# Altium PCB carrier_bak.PcbDoc (part 3 of 5)
Units mil, origin at the board's own origin, x right, y up, seen from the top; angles counter-clockwise.
Board outline 5511.81 x 3425.2 mil, 4 copper layers (Component Side, Power_layer1, Power_layer2, Solder Side), stack 65.912 mil thick; 375 components, 412 nets, 1874 pads, 645 vias.
Unrouted connection lines stored in the file: 33.
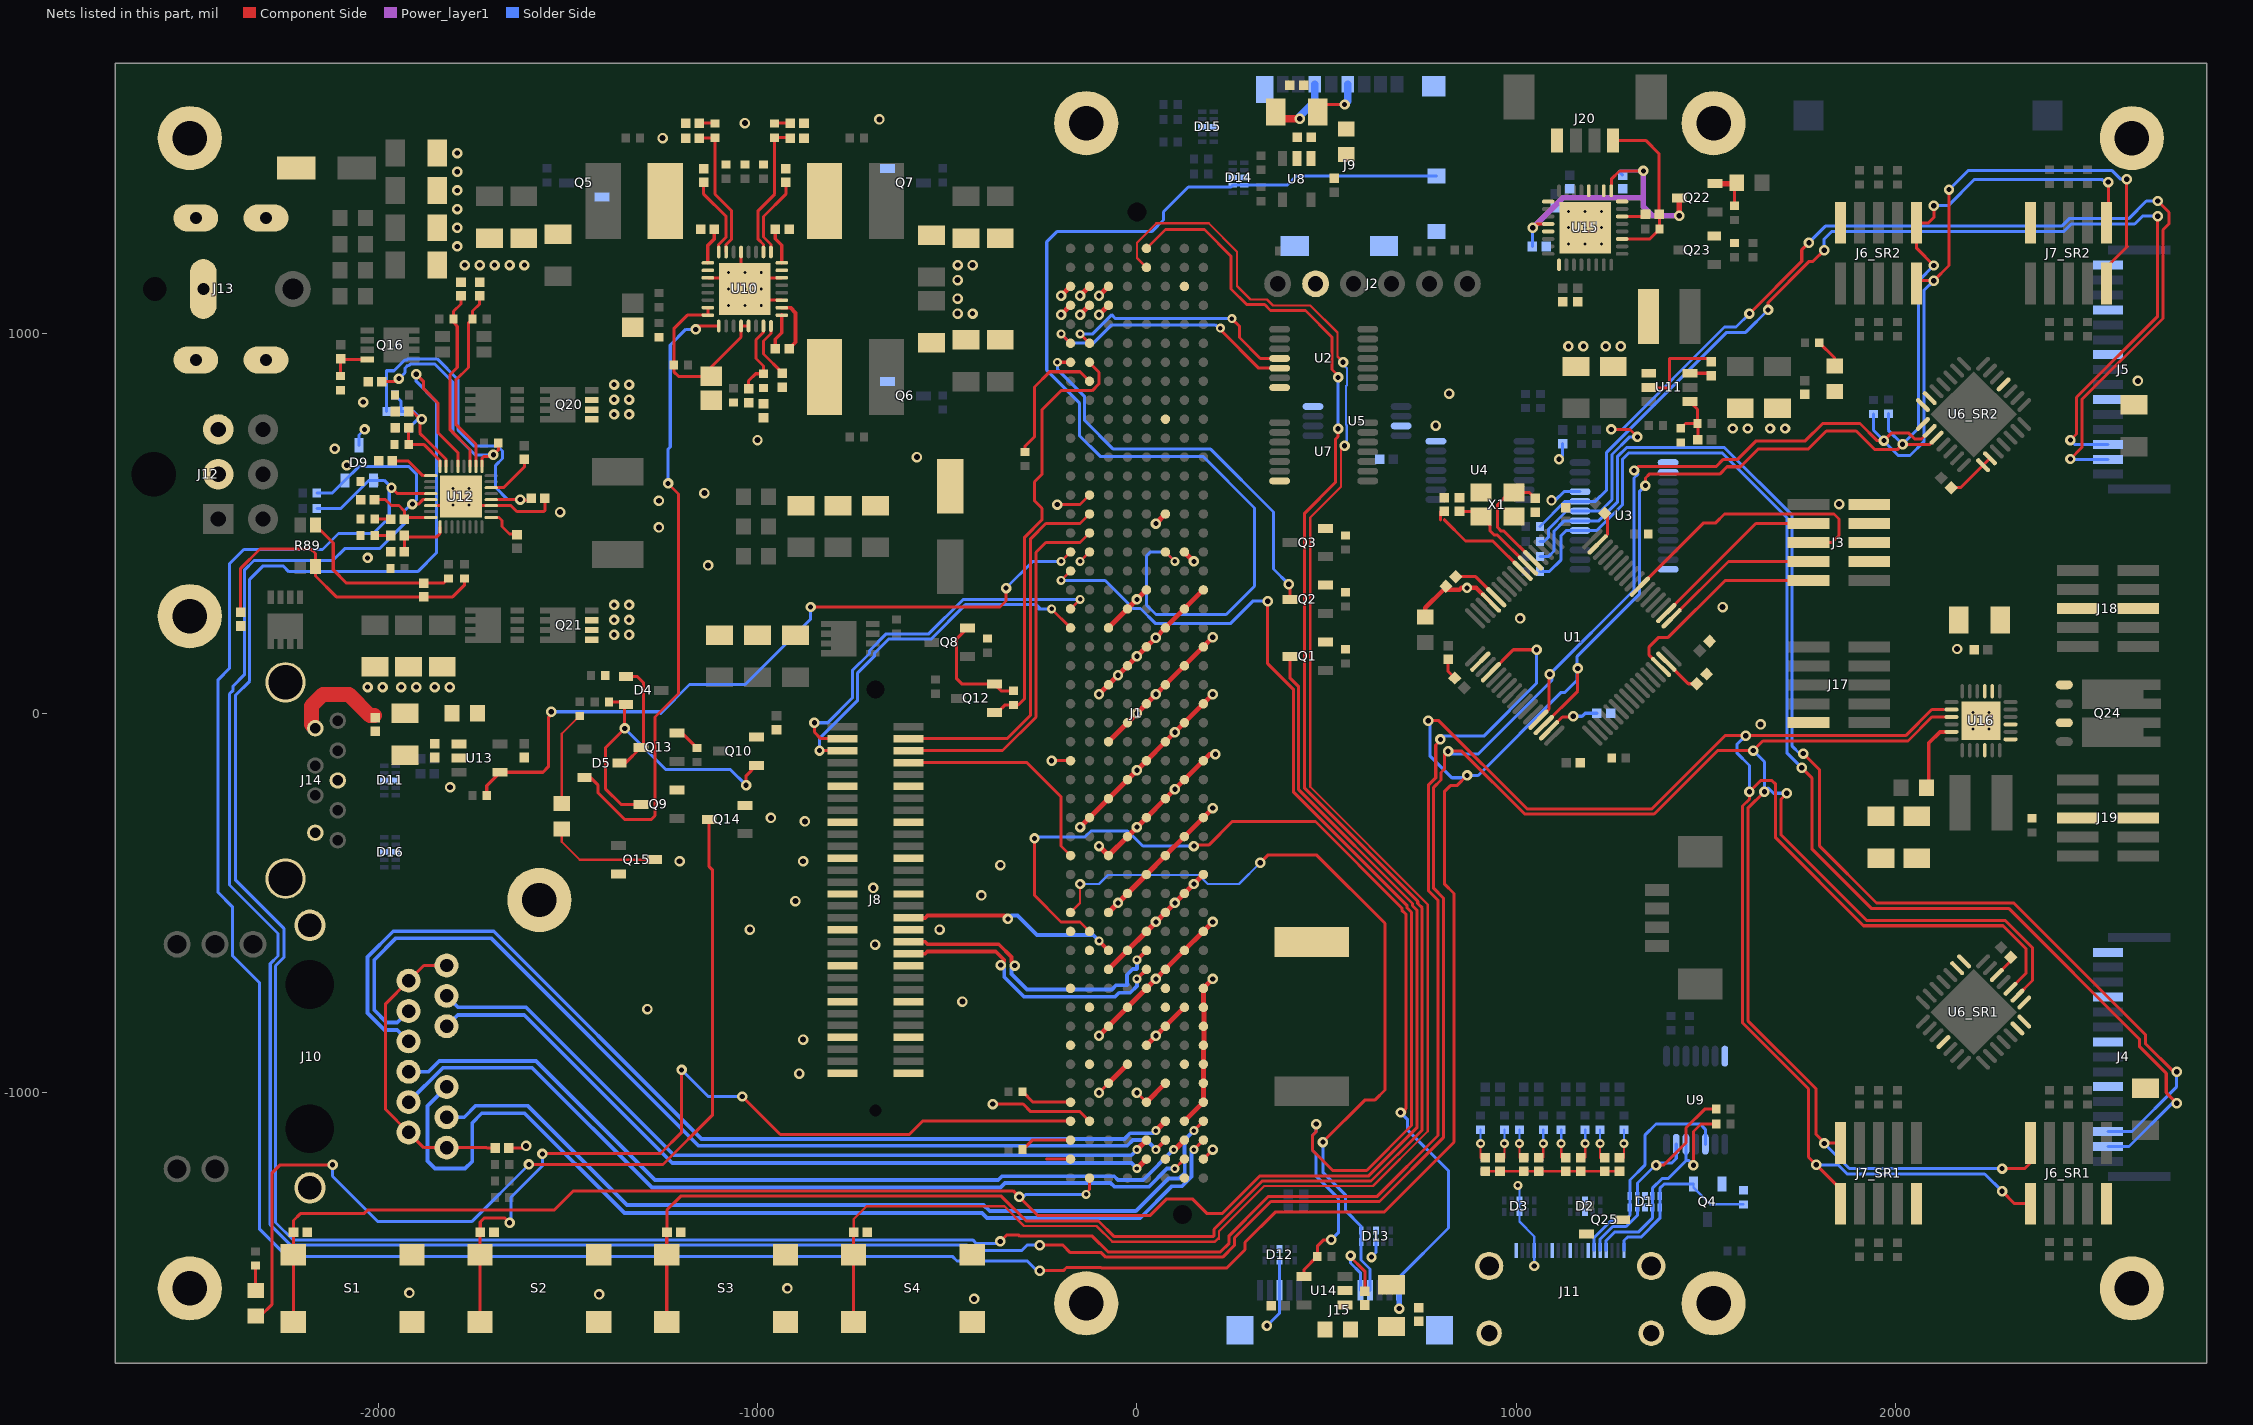
[diagram p5: the nets of this part, all layers, seen from the top]

## Via types
v1: diameter 27.56, hole 13.78, Component Side to Solder Side, 368 vias
v2: diameter 23.62, hole 11.81, Component Side to Solder Side, tented top, 99 vias
v3: diameter 27.56, hole 15.75, Component Side to Solder Side, 59 vias
v4: diameter 19.68, hole 7.87, Component Side to Solder Side, 54 vias
v5: diameter 27.56, hole 13.78, Component Side to Solder Side, tented top, 45 vias
v6: diameter 23.62, hole 11.81, Component Side to Solder Side, 10 vias
v7: diameter 19.68, hole 10, Component Side to Solder Side, 8 vias
v8: diameter 50, hole 28, Component Side to Solder Side, 2 vias

## Nets (pads, with @x,y where several pads share a name; then routed paths per layer and width w, separated by ;. In a path a pad name is that pad's centre, name@x,y a point inside that pad or via, vN(x,y) a via of type N, cw(c..) or ccw(c..) an arc to the next point about the centre after c; other vN are vias at no path point) (continued)
DPM2_D2_P: J1.C38 J8.34 | length 575.3
  Component Side w9.7: J8.34@-602.36,-539.37 -558.14,-539.37 -551.99,-533.22 -348.93,-533.22 v1(-340,-542.15) ; v2(-100,-600) J1.C38@-75,-625
  Solder Side w9.7: v1(-340,-542.15) -331.07,-533.22 -315,-533.22 -263.62,-584.6 -115.4,-584.6 v2(-100,-600)
DPM2_D3_N: J1.E38 J8.38 | length 787.4
  Component Side w9.7: J8.38@-602.36,-602.36 -558.14,-602.36 -551.99,-608.51 -364.34,-608.51 -330.8,-642.05 -330.8,-656.07 v1(-321.87,-665) ; v2(0,-650) J1.E38@25,-625
  Solder Side w9.7: v1(-321.87,-665) -330.8,-673.93 -330.8,-687.05 -290,-727.85 -65.74,-727.85 -55.03,-717.14 -25.71,-717.14 -24.19,-715.63 -24.19,-712.8 -26.16,-710.84 -26.16,-689.16 -10.84,-673.84 -0.99,-673.84 0,-672.85 v2(0,-650)
DPM2_D3_P: J1.E39 J8.40 | length 754
  Component Side w9.7: J8.40@-602.36,-633.86 -558.14,-633.86 -551.99,-627.71 -372.29,-627.71 -350,-650 -350,-655 -358.61,-663.61 v1(-358.93,-663.61) ; v2(0,-700) J1.E39@25,-675
  Solder Side w9.7: v1(-358.93,-663.61) -350,-672.54 -350,-695 -297.95,-747.05 -57.79,-747.05 -47.08,-736.34 -17.75,-736.34 0,-718.59 v2(0,-700)
EN_OTG: U1.20 U12.5 | length 7962
  Component Side w8: v1(-1899.61,893.7) -1879.92,874.02 -1879.92,855 -1842.59,817.67 -1842.59,740 -1789.37,686.78 U12.5@-1789.37,650.59 ; v1(-360.13,-1391.84) -343.29,-1375 -311.57,-1375 -308.57,-1378 -117.73,-1378 -76.3,-1419.43 219.96,-1419.43 242.97,-1396.42 242.97,-1376.63 330.14,-1289.46 330.34,-1289.46 346.84,-1272.96 633.43,-1272.96 793.54,-1112.85 793.54,-492.55 768,-467.01 768,-189.4 787.4,-170 787.4,-83.66 799.7,-71.36 v1(799.7,-68.9) ; U1.20@932.86,108.13 992.05,167.32 v1(1053.15,167.32)
  Solder Side w8: v1(-1899.61,893.7) -1899.61,874.61 -1846.3,821.3 -1846.3,422.45 -1895.71,373.03 -2235.24,373.03 -2250.55,388.35 -2302.87,388.35 -2338.36,352.86 -2338.36,84.7 -2376.2,46.86 -2376.2,-438.76 -2248.25,-566.71 -2248.25,-643.81 -2270.09,-665.65 -2270.09,-1342.11 -2224.33,-1387.88 -432.99,-1387.88 -423.23,-1397.64 -365.93,-1397.64 v1(-360.13,-1391.84) ; v1(799.7,-68.9) 797.24,-68.9 805.87,-60.27 914.14,-60.27 1053.15,78.74 v1(1053.15,167.32)
GND: C1.2 C2.2 C3.2 C4.2 C5.2 C6.2 C7.2 C8.2 C9.2 C10.2 C11.2 C12.1 C13.2 C14_SR1.1 C14_SR2.1 C15.1 C16.1 C17.1 C18.1 C19.2 C20.1 C21.1 C22.1 C23.1 C33.1 C34.1 C35.1 C36.1 C37.1 C38.1 C39.2 C40.1 C41.1 C42.1 C44.1 C45.1 C46.1 C47.1 C48.1 C49.1 C52.1 C53.1 C54.1 C55.1 C56.1 C58.1 C59.1 C60.1 C61.1 C62.1 C63.1 C64.1 C65.1 C66.1 C67.1 C68.1 C69.1 C70.1 C77.2 C78.2 C79.2 C80.2 C81.1 C82.1 C83.1 C84.1 C85.1 C86.2 C87.1 C88.1 C89.1 C92.2 C93.1 C94.1 C95.1 C98.1 C99.1 C100.1 C101.1 C102.1 C103.1 C105.1 C106.1 C107.2 C108.2 C109.1 C110.1 C111.1 C112.1 C113.2 C114.1 C115.1 C116.1 C117.1 C118.1 C119.2 D1.3 D2.3 D3.3 D6.C D9.A D10.A D11.3 D12.3 D13.3 D14.3 D15.3 D16.3 J1.A3 J1.A4 J1.A28 J1.A37 J1.A40 J1.A43 J1.B3 J1.B4 J1.B14 J1.B31 J1.B38 J1.B41 J1.B44 J1.B47 J1.C3 J1.C4 J1.C21 J1.C24 J1.C27 J1.C30 J1.C33 J1.C36 J1.C39 J1.C42 J1.C45 J1.D20 J1.D23 J1.D26 J1.D29 J1.D32 J1.D35 J1.D38 J1.D41 J1.D44 J1.E19 J1.E22 J1.E25 J1.E28 J1.E31 J1.E34 J1.E37 J1.E40 J1.E43 J1.E46 J1.F10 J1.F15 J1.F21 J1.F24 J1.F27 J1.F30 J1.F33 J1.F36 J1.F39 J1.F40 J1.F41 J1.F42 J1.F45 J1.F49 J1.G3 J1.G17 J1.G20 J1.G23 J1.G26 J1.G29 J1.G32 J1.G35 J1.G38 J1.G41 J1.G44 J1.G47 J1.G50 J1.H19 J1.H22 J1.H25 J1.H28 J1.H31 J1.H34 J1.H37 J1.H40 J1.H41 J1.H42 J1.H43 J1.H44 J1.H45 J1.H46 J1.H49 J2.2 J3.3 J3.5 J3.7 J3.9 J4.1 J4.4 J4.7 J4.10 J5.1 J5.4 J5.7 J5.10 J6_SR1.2 J6_SR2.2 J7_SR1.2 J7_SR2.2 J8.11 J8.12 J8.17 J8.18 J8.23 J8.24 J8.29 J8.30 J8.35 J8.36 J8.41 J8.42 J8.47 J8.48 J8.53 J8.54 J8.59 J8.60 J9.6 J9.SHIELD J9.SW2 J10.SHIELD J11.1 J11.4 J11.7 J11.10 J11.13 J11.SHIELD J12.2 J12.3 J13.2 J13.3 J14.4 J14.7 J14.SHIELD J15.5 J15.8 J15.SHIELD J17.2 J18.5 J18.6 J19.5 J19.6 J20.4 MH1.1 MH2.1 MH3.1 MH4.1 MH5.1 MH6.1 MH7.1 MH8.1 MH9.1 MH10.1 Q1.S Q2.S Q3.S Q4.S Q5.S Q6.S Q7.S Q8.S Q9.S Q10.S Q12.S Q13.S Q14.S Q15.S Q20.S Q21.S Q23.E Q25.S R6.1 R7.1 R17.1 R18.1 R19.1 R30.2 R57.2 R61.2 R67.1 R68.2 R74.1 R75.1 R79.1 R81.2 R82.1 R93.1 R96.1 R97.1 R98.2 R99.2 R100.1 R101.1 R106.1 R112.1 S1.2 S2.2 S3.2 S4.2 U1.12 U1.18 U1.63 U2.7 U3.1 U3.2 U3.12 U3.21 U4.7 U5.4 U5.7 U6_SR1.1 U6_SR1.2 U6_SR1.11 U6_SR1.20 U6_SR1.21 U6_SR1.22 U6_SR1.26 U6_SR2.1 U6_SR2.2 U6_SR2.11 U6_SR2.20 U6_SR2.21 U6_SR2.22 U7.7 U8.2 U9.7 U10.11 U10.14 U10.21 U10.27 U10.33 U11.1 U12.14 U12.27 U12.33 U13.2 U14.2 U15.1 U15.16 U15.18 U15.20 U15.25 U15.29 U15.33 U16.4 U16.14 U16.15 U16.25 X1.2 | length 7291.5
  Component Side w8: U12.14@-1861.22,547.24 -1805.12,547.24 v4(-1803.15,549.21) U12.33@-1781.5,570.87 -1757.87,547.24 U12.27@-1701.77,547.24 -1650,547.24 -1634.25,531.5 -1562.99,531.5 -1560.63,533.86 C80.2@-1560.63,566.93 ; C23.1@-1655.12,-1145.67 -1615.67,-1145.67 v3(-1610,-1140) ; Q13.S@-1212.76,-52.6 -1198.7,-52.6 R81.2@-1160,-91.3 ; U10.27@-1130.91,1147.64 -1062.99,1147.64 U10.33@-1043.31,1127.95 ; U10.21@-1043.31,1215.55 U10.33@-1043.31,1127.95 ; U10.11@-936.02,1088.58 -1003.94,1088.58 v4(-1033.46,1118.11) ; U10.14@-936.02,1147.64 -1003.94,1147.64 v4(-1033.46,1118.11) ; Q8.S@-446.31,224.41 -476,194.72 -476,92.14 -460.63,76.77 Q12.S@-375.98,76.77 -358.27,59.06 R82.1@-324.8,59.06 ; v1(-380,-1030) -300,-1030 -280,-1050 -150,-1050 J1.B47@-125,-1075 ; v5(-225,-125) J1.A28@-175,-125 ; v5(-210,550) -150,550 J1.B14@-125,575 ; v5(-100,-1000) J1.C45@-75,-975 ; v5(0,-1000) J1.E46@25,-1025 ; J1.H49@175,-1175 v5(200,-1150) ; v1(562.99,-1429.13) 559.06,-1429.13 600.39,-1470.47 C93.1@600.39,-1523.23 ; C1.2@820,141.89 820,110 C3.2@837.19,92.81 ; C2.2@840,360 892.56,360 U1.12@946.78,305.79 ; U1.63@1214.03,444.98 1240,470.95 1240,520 C6.2@1232.81,527.19 ; C14_SR2.1@2145.61,594.39 2170.39,594.39 U6_SR2.1@2229.78,653.78 U6_SR2.2@2247.87,671.87 ; U6_SR1.26@2265.97,-689.97 2302.81,-653.13 C14_SR1.1@2302.81,-642.81 ; U10.33@-1043.31,1127.95 v4(-1033.46,1118.11)
  Component Side w13: v5(-200,1050) J1.A4@-175,1075 ; v5(-200,1100) J1.A3@-175,1125 ; v5(-150,-300) J1.B31@-125,-275 J1.C30@-75,-225 J1.D29@-25,-175 v5(0,-150) J1.E28@25,-125 J1.F27@75,-75 v5(100,-50) J1.G26@125,-25 J1.H25@175,25 v5(200,50) ; v5(-150,1050) J1.B4@-125,1075 ; v5(-150,1100) J1.B3@-125,1125 ; v5(-100,-850) J1.C42@-75,-825 J1.D41@-25,-775 J1.E40@25,-725 v5(50,-700) J1.F39@75,-675 J1.G38@125,-625 J1.H37@175,-575 v5(200,-550) ; v5(-100,-350) J1.C33@-75,-375 J1.D32@-25,-325 v5(0,-300) J1.E31@25,-275 J1.F30@75,-225 v5(100,-200) J1.G29@125,-175 J1.H28@175,-125 191.73,-108.27 v5(206.69,-108.27) ; v5(-100,50) J1.C24@-75,75 v5(-50,100) J1.D23@-25,125 v5(0,150) J1.E22@25,175 v5(49.21,199.21) J1.F21@75,225 J1.G20@125,275 J1.H19@175,325 ; v5(-100,1050) J1.C4@-75,1075 ; v5(-100,1100) J1.C3@-75,1125 ; J1.C45@-75,-975 J1.D44@-25,-925 ; J1.C39@-75,-675 J1.D38@-25,-625 J1.E37@25,-575 v5(50,-550) J1.F36@75,-525 v5(100,-500) J1.G35@125,-475 J1.H34@175,-425 v5(150,-450) ; J1.C36@-75,-525 v5(-50,-500) J1.D35@-25,-475 J1.E34@25,-425 J1.F33@75,-375 J1.G32@125,-325 J1.H31@175,-275 v5(200,-250) ; J1.C27@-75,-75 J1.D26@-25,-25 v5(0,0) J1.E25@25,25 v5(50,50) J1.F24@75,75 J1.G23@125,125 J1.H22@175,175 v5(200,200) ; J1.C21@-75,225 J1.D20@-25,275 v5(0,300) J1.E19@25,325 ; J1.E46@25,-1025 J1.F45@75,-975 ; J1.E43@25,-875 v5(50,-850) J1.F42@75,-825 J1.G41@125,-775 ; v5(50,500) J1.F15@75,525 ; J1.G47@125,-1075 J1.H46@175,-1025 J1.H45@175,-975 J1.H44@175,-925 J1.H43@175,-875 176.28,-873.72 176.28,-826.28 J1.H42@175,-825 176.28,-823.72 176.28,-776.28 J1.H41@175,-775 J1.H40@175,-725 v5(200,-700) ; J1.G17@125,425 v5(150,400)
  Component Side w20: C22.1@366.14,1584.65 383.79,1567 v1(429,1567)
  Solder Side w6: v6(1003.94,-1244.09) 1007.87,-1248.03 D3.3@1007.87,-1284.06 D3.3@1007.87,-1314.37 1007.87,-1339.45 1047.24,-1378.82 J11.4@1047.24,-1415.35 v1(1047.24,-1456.69)
  Solder Side w8: D9.A@-2050,706.26 -2050,733.46 v1(-2035.43,748.03) ; v1(342.52,-1614.17) 375.98,-1580.71 J15.8@375.98,-1520.67 D12.3@375.98,-1442.32 ; v1(562.99,-1429.13) 562.99,-1448.82 588.58,-1474.41 J15.5@588.58,-1520.67 ; v1(618.11,-1433.07) 629.92,-1421.26 D13.3@629.92,-1393.11 D13.3@629.92,-1362.8 ; v3(1092.52,561.02) 1102.36,561.02 1125.31,583.98 U3.21@1167.64,583.98 ; v1(1112.2,669.29) 1122.05,679.13 C18.1@1122.05,710.24
  Solder Side w20: v1(429,1567) 427.09,1567 425.2,1568.9 468.7,1612.4 J9.6@468.7,1657.48
  other v1: -2027.56,68.9 -1988.19,68.9 -1938.98,68.9 -1899.61,68.9 -1850.39,68.9 -1811.02,68.9 -1377.95,206.69 -1338.58,206.69 -1377.95,246.06 -1338.58,246.06 -1377.95,285.43 -1338.58,285.43 -2027.56,409.45 -2082.68,653.54 -2114.17,696.85 1570.16,750.39 1609.53,750.39 1668.58,750.39 1707.95,750.39 -1377.95,787.4 -1338.58,787.4 -2039.21,819.95 -1377.95,826.77 -1338.58,826.77 -1377.95,866.14 -1338.58,866.14 1137.09,966.93 1176.46,966.93 1235.51,966.93 1274.88,966.93 -433.07,1053.15 -1771.65,1181.1 -1732.28,1181.1 -1692.91,1181.1 -1653.54,1181.1 -1614.17,1181.1 -472.44,1181.1 -1791.34,1230.32 -1791.34,1279.53 -1791.34,1328.74 -1791.34,1377.95 -1791.34,1427.17 -1791.34,1476.38
  other v3: -429.13,-1543.31 -1417.32,-1531.5 -1917.32,-1527.56 -921.26,-1515.75 -890,-950 -880,-860 -1290,-780 -460,-760 -690,-610 -1020,-570 -520,-570 -900,-495 -410,-480 -695,-460 -360,-400 -1205,-390 -880,-390 -875,-285 -964.57,-275.59 -1810,-195 1643.7,-29.53 2161.42,169.29 1010,250 1543.31,279.53 -1130,390 -1260,490 -1520,530 1850.39,551.18 -1260,560 -1140,580 -580,675 -1000,720 787.4,757.87 822.83,842.52 2637.8,875.98 -472.44,1053.15 -472.44,1092.52 -472.44,1141.73 -433.07,1181.1 -1250,1515.75 -1033.46,1555.12 -679.13,1564.96
  other v4: 2202.76,-41.34 2246.06,-41.34 2202.76,1.97 2246.06,1.97 -1759.84,549.21 -1803.15,592.52 -1759.84,592.52 -1076.77,1074.8 -1033.46,1074.8 -990.16,1074.8 -1076.77,1118.11 -990.16,1118.11 -1076.77,1161.42 -1033.46,1161.42 -990.16,1161.42 1137.8,1236.22 1181.1,1236.22 1224.41,1236.22 1137.8,1279.53 1181.1,1279.53 1224.41,1279.53 1137.8,1322.83 1181.1,1322.83 1224.41,1322.83
I2C_CAM1.SCL: J4.13 R128.1 U3.18 | length 3336.5
  Component Side w8: v1(1755.9,-106.3) 1799.21,-149.61 1799.21,-350.39 1948.82,-500 2311.02,-500 2657.48,-846.46 2657.48,-870.08 2732.28,-944.88 v1(2740.16,-944.88)
  Solder Side w8: R128.1@1062.01,413.39 1085,413.39 1099.07,427.46 1099.07,479.98 1126.3,507.2 U3.18@1167.64,507.2 1217.2,507.2 1266,556 1266,676 1290,700 1548.37,700 1726.6,521.77 1726.6,-86.61 1746.28,-106.3 v1(1755.9,-106.3) ; J4.13@2559.06,-1102.36 2622.05,-1102.36 2740.16,-984.25 v1(2740.16,-944.88)
I2C_CAM1.SDA: J4.14 R22.1 U3.17 | length 3367.1
  Component Side w8: v1(1751.97,-143.8) 1779.53,-171.35 1779.53,-358.55 1934.98,-514 2297.18,-514 2641.73,-858.55 2641.73,-877.95 2712.6,-948.82 2712.6,-1000 v1(2740.16,-1027.56)
  Solder Side w8: R22.1@1062.01,374.02 1087.39,374.02 1116.9,403.53 1116.9,467.3 1131.22,481.61 U3.17@1167.64,481.61 1211.61,481.61 1280,550 1280,670 1295.35,685.35 1543.22,685.35 1712.6,515.98 1712.6,-104.43 v1(1751.97,-143.8) ; J4.14@2559.06,-1141.73 2614.17,-1141.73 2728.35,-1027.56 v1(2740.16,-1027.56)
I2C_CAM2.SCL: J5.13 R130.1 U3.20 | length 2842.7
  Component Side w8: v1(1663.39,1062.88) 1663.39,1082.56 1771.77,1190.94 1781.5,1190.94 v1(1811.02,1220.47) ; v1(2460,720) 2476.16,736.16 2476.16,832.46 2690,1046.3 v1(2690,1310)
  Solder Side w8: R130.1@1062.01,492.13 1128.27,558.39 U3.20@1167.64,558.39 1207.99,558.39 1238,588.39 1238,687.6 1554.34,1003.94 1604.33,1003.94 1663.27,1062.88 v1(1663.39,1062.88) ; v1(1811.02,1220.47) 1811.02,1250 1830.71,1269.68 2442.78,1269.68 2462.47,1289.37 2629.37,1289.37 2650,1310 v1(2690,1310) ; v1(2460,720) 2471.34,708.66 J5.13@2559.06,708.66
I2C_CAM2.SDA: J5.14 R129.1 U3.19 | length 3136.5
  Component Side w8: v1(1250,748.03) 1299.21,748.03 v1(1318.9,728.35) ; v1(1614.17,1053.15) 1751.97,1190.94 1751.97,1221.37 v1(1770.76,1240.16) ; v1(2460,670) 2490.16,700.16 2490.16,826.66 2704,1040.5 2704,1274 2720,1290 2720,1320 v1(2690,1350)
  Solder Side w8: R129.1@1062.01,452.76 1072.83,452.76 1085.07,465 1085.07,485.78 1132.09,532.8 U3.19@1167.64,532.8 1221.77,532.8 1252,563.02 1252,681.8 1298.55,728.35 v1(1318.9,728.35) ; v1(1250,748.03) 1278.63,748.03 1548.54,1017.94 1578.96,1017.94 v1(1614.17,1053.15) ; v1(1770.76,1240.16) 1814.29,1283.68 2436.98,1283.68 2456.67,1303.37 2613.37,1303.37 2660,1350 v1(2690,1350) ; v1(2460,670) 2460.71,669.29 J5.14@2559.06,669.29
JTCK: J3.4 U1.49 | length 423.2
  Component Side w8: U1.49@1408.9,250.11 1558.79,400 J3.4@1770,400
JTDI: J3.8 U1.50 | length 472.8
  Component Side w8: U1.50@1394.98,264.03 1630.95,500 J3.8@1770,500
JTDO: J3.6 U1.55 | length 740.8
  Component Side w8: U1.55@1325.38,333.63 1493.73,501.97 1525.59,501.97 1548.62,525 1837.2,525 1850,512.2 1850,468.11 1831.89,450 J3.6@1770,450
JTMS: J3.2 U1.46 | length 558.3
  Component Side w8: U1.46@1381.06,122.05 1350,153.11 1350,175 1375,200 1400,200 1550,350 J3.2@1770,350
MCU_SCL: D9.C2 J6_SR1.9 J6_SR2.9 J7_SR1.9 J7_SR2.9 R9.1 R84.1 U1.29 U6_SR1.23 U6_SR2.23 U12.13 U16.21 | length 15313.8
  Component Side w8: v1(-1909.45,551.18) -1893.7,551.18 -1881.89,562.99 U12.13@-1861.22,562.99 ; v1(-255.91,-1401.87) -195.11,-1401.87 -175.55,-1421.43 -94.1,-1421.43 -82.1,-1433.43 225.76,-1433.43 256.97,-1402.22 256.97,-1382.63 352.64,-1286.96 639.23,-1286.96 807.54,-1118.65 807.54,-486.76 782,-461.21 782,-195.2 801.4,-175.8 801.4,-156 810,-147.4 810,-110 v1(820,-100) 856.21,-100 1021.95,-265.75 1363.05,-265.75 1530.37,-98.43 v1(1624.02,-98.43) 1649.39,-73.06 2031.72,-73.06 2094.93,-9.84 U16.21@2146.65,-9.84 ; U1.29@1058.13,-17.14 1086.02,10.74 1086.02,101.11 v1(1087.93,103.02) ; v1(1310.24,639.76) 1320.47,650 1525.98,650 1545.28,669.29 1583.05,669.29 1630.67,716.91 1760.22,716.91 1807.09,763.78 1905.51,763.78 1950.79,718.5 v1(1968.5,718.5) 1988.19,738.19 2034.01,738.19 2049.54,722.66 2067.6,722.66 U6_SR2.23@2089.19,744.25 ; v1(1653.54,-206.69) 1610,-250.24 1610,-810 1790,-990 1790,-1110 1812.4,-1132.4 J7_SR1.9@1854.72,-1132.4 ; v1(1712.6,-210.79) 1697.07,-226.32 1697.07,-320.15 1922.92,-546 2288.24,-546 2360,-617.76 2360,-704.51 U6_SR1.23@2320.26,-744.25 ; J6_SR2.9@2054.72,1132.4 2062.32,1140 v1(2099.72,1140) 2140,1180.28 v1(2140,1380) ; v1(2280,-1200) 2340,-1200 2354.72,-1185.28 J6_SR1.9@2354.72,-1132.4 ; J7_SR2.9@2554.72,1132.4 2554.72,1174.72 2610,1230 2608.27,1231.73 v1(2608.27,1407.48)
  Solder Side w8: R84.1@-2161.3,580 -2121.14,580 D9.C2@-2087.4,613.74 -2051.14,650 -1918.62,650 -1898.62,630 -1898.62,562.01 v1(-1909.45,551.18) -1909.45,554.33 -1930.71,533.07 -1930.71,499.28 -1996.25,433.74 -2087.91,433.74 -2119.3,402.35 -2326.85,402.35 -2352.36,376.84 -2352.36,101.25 -2381.89,71.72 -2381.89,60.97 -2391.73,51.13 -2391.73,-452.76 -2263.78,-580.71 -2263.78,-639.54 -2284.09,-659.85 -2284.09,-1347.91 -2230.13,-1401.88 -448.52,-1401.88 -434.77,-1415.62 -303.41,-1415.62 -289.67,-1401.87 v1(-255.91,-1401.87) ; v1(820,-100) 820,-101.4 825.74,-107.14 859.27,-107.14 859.32,-107.19 899.57,-107.19 1093.93,87.17 1093.93,97.01 v1(1087.93,103.02) 1310,325.09 1310,620 1320,630 v1(1310.24,639.76) ; v1(1624.02,-98.43) 1653.54,-127.95 v1(1653.54,-206.69) 1663.44,-196.79 1677.44,-210.79 v1(1712.6,-210.79) ; v1(1811.14,-1133.66) 1877.48,-1200 v1(2280,-1200) ; R9.1@1940.94,788.39 1940.94,746.06 v1(1968.5,718.5) 1968.5,716.73 2006.1,679.13 2037.4,679.13 2073.78,715.51 2073.78,1114.06 v1(2099.72,1140) ; v1(2140,1380) 2190,1430 2570,1430 2592.52,1407.48 v1(2608.27,1407.48)
MCU_SDA: D9.C1 J6_SR1.10 J6_SR2.10 J7_SR1.10 J7_SR2.10 R10.1 R83.1 U1.30 U6_SR1.24 U6_SR2.24 U12.12 U16.20 | length 15467.8
  Component Side w8: v1(-1964.57,594.49) -1948.82,578.74 U12.12@-1861.22,578.74 ; v1(-255.91,-1468.99) -193.99,-1468.99 -185.47,-1460.47 -94.65,-1460.47 -93.69,-1461.43 237.36,-1461.43 284.97,-1413.82 284.97,-1394.22 364.24,-1314.96 650.83,-1314.96 835.54,-1130.25 835.54,-475.16 810,-449.61 810,-206.8 825.93,-190.87 843.03,-190.87 v1(870,-163.9) ; v1(767.72,-19.68) 795.69,-19.68 1027.75,-251.75 1357.25,-251.75 1549.94,-59.06 v1(1604.33,-59.06) 2025.92,-59.06 2094.81,9.84 2125.98,9.84 ; U1.30@1072.05,-31.06 1161.42,58.3 v1(1161.42,118.11) ; v1(1340,600) 1340,620 1350,630 1535.51,630 1555.12,649.61 1590.55,649.61 1637.8,696.85 1769.53,696.85 1816.77,744.09 1895.51,744.09 1944.88,694.72 2003.78,694.72 v1(2017.72,708.66) 2089.79,708.66 U6_SR2.24@2107.29,726.16 ; J7_SR1.10@1854.72,-1292.4 1854.72,-1254.72 v1(1790,-1190) 1770,-1170 1770,-989.8 1596,-815.8 1596,-244.44 1614.17,-226.26 1614.17,-214.17 1606.69,-206.69 v1(1614.17,-206.69) 1643.7,-177.17 1673.23,-177.17 1683.07,-187.01 1683.07,-328.37 1914.7,-560 2282.44,-560 2342.52,-620.08 2342.52,-685.8 U6_SR1.24@2302.16,-726.16 ; v1(2100,1180) 2054.72,1225.28 J6_SR2.10@2054.72,1292.4 2086.06,1292.4 2100,1306.34 v1(2100,1337.68) ; v1(2280,-1260) 2312.4,-1292.4 J6_SR1.10@2354.72,-1292.4 ; J7_SR2.10@2554.72,1292.4 2560,1297.68 v1(2560,1400)
  Solder Side w8: R83.1@-2161.3,540 -2097.8,540 -2024.06,613.74 D9.C1@-2012.6,613.74 -1983.82,613.74 v1(-1964.57,594.49) -1970.47,588.58 -1970.47,515.75 -2012.72,473.5 -2104.38,473.5 -2146.23,431.66 -2353.77,431.66 -2392.13,393.31 -2392.13,117.72 -2421.26,88.58 -2421.26,-472.44 -2384.09,-509.61 -2384.09,-638.27 -2312.99,-709.37 -2312.99,-1358.66 -2240.33,-1431.32 -486.62,-1431.32 -474.32,-1443.62 -289.06,-1443.62 -263.68,-1468.99 v1(-255.91,-1468.99) ; v1(767.72,-19.68) 771.81,-23.78 771.81,-112.13 829.68,-170 857.8,-170 v1@870,-157.8 ; v1@873.1,-154.7 v1@870,-157.8 ; v1(1161.42,118.11) 1161.42,88.59 1160,87.17 ; v1(1340,600) 1324,584 1324,314 1160,150 1160,87.17 ; v1(1604.33,-59.06) 1580.78,-82.61 1580.78,-104.16 1614.17,-137.56 v1(1614.17,-206.69) ; v1(1790,-1190) 1847.68,-1190 1871.68,-1214 2234,-1214 v1(2280,-1260) ; R10.1@1980.32,789.37 1980.32,746.06 v1(2017.72,708.66) 2059.78,750.72 2059.78,1140 2060,1140 v1(2100,1180) ; v1(2100,1337.68) 2137.68,1337.68 2207.09,1407.09 2542.91,1407.09 2550,1400 v1(2560,1400) ; v1@870,-157.8 v1(870,-163.9) 899.09,-163.9 1118.11,55.12 1127.84,55.12 1145.83,73.11 1145.94,73.11 1160,87.17